# Allegro board TubiiPCB_V6.brd (continued)
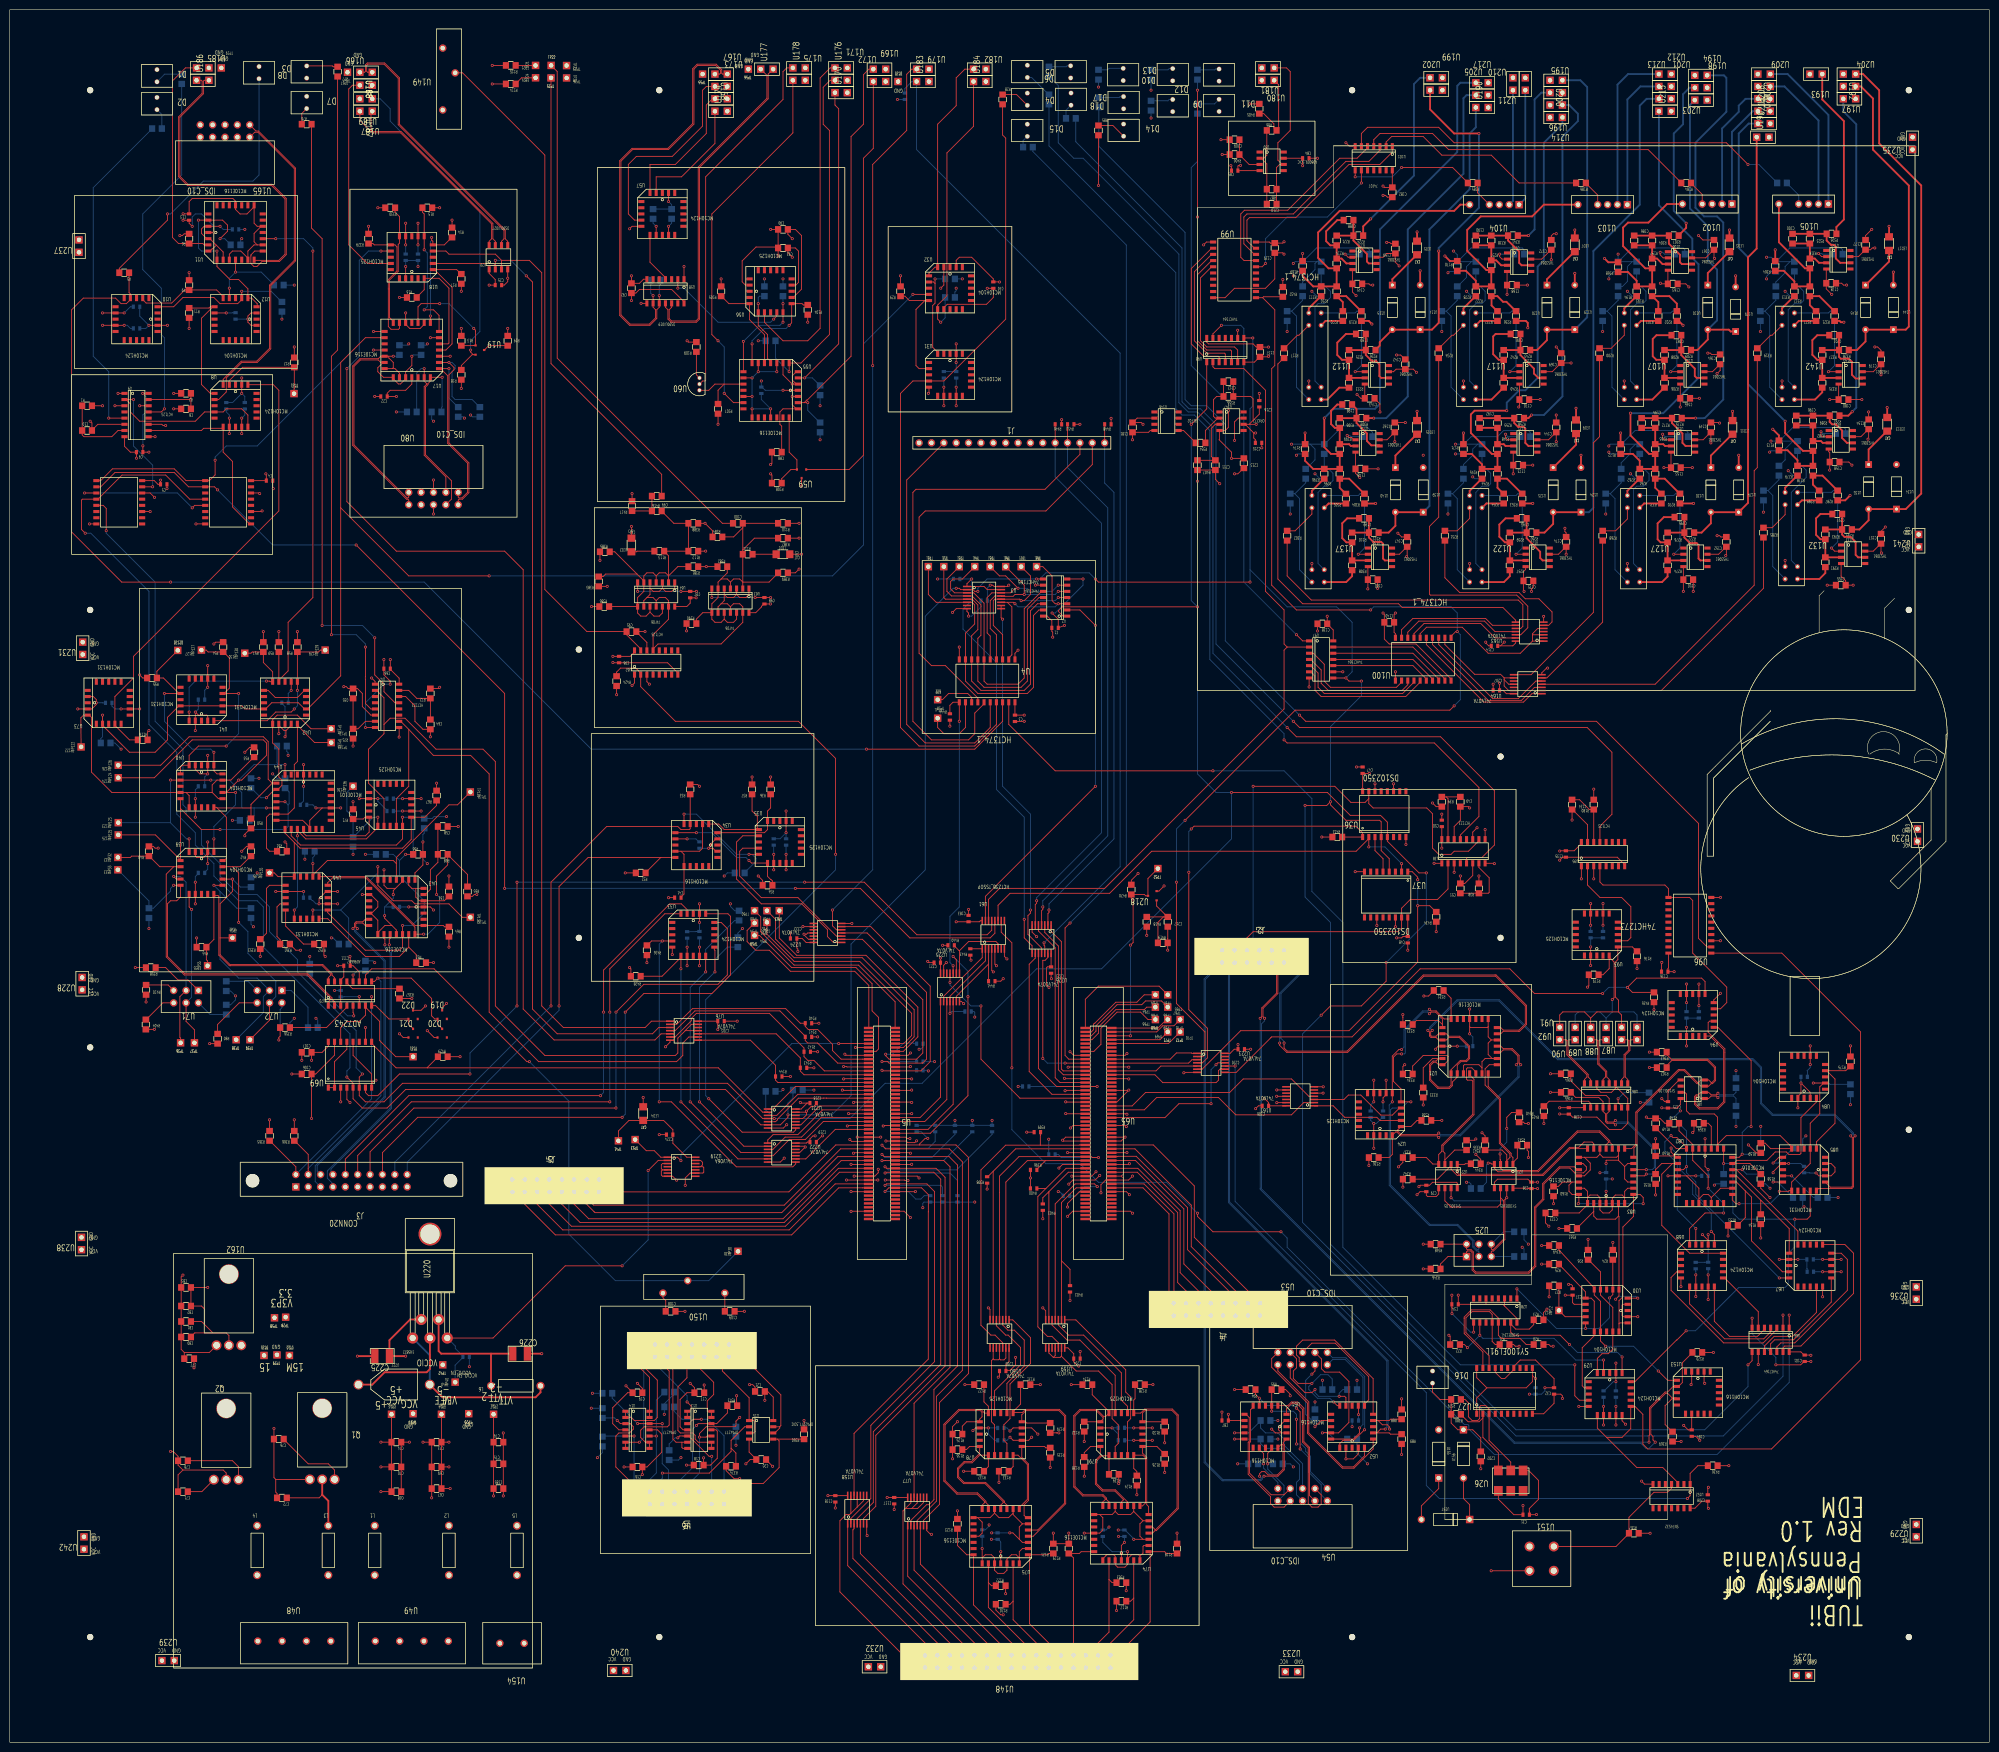
[diagram p0: board, top side]
## Routing (per net, layer and track width the routed paths; a pad name or vN(x,y) marks a point on that pad's centre or on a via; arc(x,y) is an arc through that point) (continued)
UNNAMED_1_DEFAULTCLKSEL_I1_DEFA: length 40.3
  TOP w0.178: 330.28,108 330.38,107.89 U30.4 330.38,91.62 v1(329.69,90.93) ; 330.28,108 329.64,107.36 325.83,107.36 325.2,108 325.2,108.95 ; 330.28,108 U83.3 ; U30.3 v1(334.23,91.16) ; 325.2,108.95 321.75,105.51 R161.2 ; 325.2,108.95 U83.27
  BOTTOM w0.178: v1(334.23,91.16) 333.86,91.53 330.29,91.53 v1(329.69,90.93)
UNNAMED_1_DEFAULTCLKSEL_I1_RE_1: length 201
  TOP w0.178: U29.9 325.94,64.49 327.84,62.58 ; 327.84,62.58 334.04,56.39 339.37,56.39 342.45,53.31 U152.3 ; 327.84,62.58 331.02,62.58 332.8,64.36 U29.14 333.66,68.93 335.28,67.31 335.28,61.21 336.3,60.2 361.7,60.2 379.98,78.49 379.98,145.8 363.81,161.97 U96.1
UNNAMED_1_DEFAULTCLKSEL_I1_RESE: length 93.6
  TOP w0.178: v1(351.87,118.79) U82.26 ; U29.18 333.65,74.01 342.19,82.55 342.26,82.55 v1(344.17,84.46) ; v1(366.47,107.36) 369.01,107.36 369.65,108 U85.17
  BOTTOM w0.178: v1(344.17,84.46) 346.07,84.46 354.96,93.34 364.49,93.34 365.12,93.98 365.12,100.33 366.47,101.68 v1(366.47,107.36) 355.04,107.36 353.77,108.63 353.77,118.62 353.59,118.79 v1(351.87,118.79) R157.1
UNNAMED_1_DR610F1BUTTON_I24_B2: length 31.9
  TOP w0.178: U151.3 329.76,40.18 332.43,42.84 R167.2 332.43,46.17 337.57,51.31 340.35,51.31 341.18,52.14 U152.4
UNNAMED_1_DS90LV019_I14_DIN: length 26.3
  TOP w0.178: U56.7 157.48,292.74 v1(156.84,292.1) ; U58.2 v1(137.16,298.45)
  BOTTOM w0.178: v1(137.16,298.45) 138.43,298.45 145.41,291.47 156.21,291.47 v1(156.84,292.1)
UNNAMED_1_DS90LV019_I14_ROUT: length 10.4
  TOP w0.178: 131.44,309.37 131.44,303.78 134.62,300.61 U58.4
UNNAMED_1_DS102350_I1_Q: length 7.8
  TOP w0.178: U36.3 280.29,183.01 281.94,181.36 281.94,178.69
UNNAMED_1_ELLIECOMS_I9_SMELLI_1: length 65.5
  TOP w0.178: U33.13 v1(142.88,158.12) ; U222.4 150.11,121.04 v1(139.7,131.44)
  BOTTOM w0.178: R430.2 148.83,168.67 142.88,162.72 v1(142.88,158.12) 139.7,154.94 v1(139.7,131.44)
UNNAMED_1_ELLIECOMS_I9_SMELLIED: length 73
  TOP w0.178: v1(133.35,131.44) 135.84,131.44 149.17,118.11 160.77,118.11 161.37,118.7 U222.8 ; R426.2 130.86,163.56 131.77,164.47 v1(133.99,164.47) U33.7
  BOTTOM w0.178: v1(133.99,164.47) 133.35,163.83 v1(133.35,131.44)
UNNAMED_1_ELLIECOMS_I9_SMELLIEP: length 40.5
  TOP w0.178: U35.5 150.5,186.06 149.22,184.78 149.22,177.16 154.31,172.09 162.59,172.09 167.87,166.81 167.87,165.38 169.09,164.16 U224.1
UNNAMED_1_ELLIECOMS_I9_TELLIEDE: length 62.5
  TOP w0.178: 137.8,161.1 133.92,157.23 R428.2 ; 137.8,161.1 v1(137.8,158.75) ; 137.8,161.1 U33.9 ; v1(137.8,131.44) 149.5,119.74 U222.6
  BOTTOM w0.178: v1(137.8,131.44) v1(137.8,158.75)
UNNAMED_1_ELLIECOMS_I9_TELLIEPR: length 35.3
  TOP w0.178: U224.3 169.72,165.46 161.83,173.36 154.31,173.36 149.86,177.8 149.86,182.88 150.5,183.52 153.8,183.52
UNNAMED_1_ELLIECOMS_I9_TELLIEPU: length 59.2
  TOP w0.178: 144.65,163.19 144.65,162.66 144.78,162.53 v1(144.78,158.12) ; v1(141.6,131.44) 150.71,122.34 U222.2
  BOTTOM w0.178: R431.2 147.34,163.21 144.78,160.66 v1(144.78,158.12) 141.6,154.94 v1(141.6,131.44)
UNNAMED_1_EXTTRIGS_I70_EXTT<10>: length 100.7
  TOP w0.178: U5.61 186.75,122.6 ; 186.75,122.6 194.26,122.6 196.85,120.02 196.85,75.69 190.88,69.72 190.88,48.82 187.6,45.54 U77.6 ; 186.75,122.6 186.75,122.76 187.94,123.95 v1(188.47,123.95)
  BOTTOM w0.178: R393.2 187.12,125.3 v1(188.47,123.95)
UNNAMED_1_EXTTRIGS_I70_EXTT<11>: length 106.4
  TOP w0.178: v1(179.07,119.38) 179.71,119.38 179.73,119.4 U5.69 191.75,119.4 193.04,118.11 193.04,76.96 185.65,69.57 U77.12
  BOTTOM w0.178: R392.2 191.69,119.38 v1(179.07,119.38)
UNNAMED_1_EXTTRIGS_I70_EXTT<12>: length 99.9
  TOP w0.178: U158.2 172.68,45.93 176.78,50.03 176.78,65.04 189.87,78.13 189.87,113.03 188.3,114.6 U5.81 180,114.6 v1(179.71,114.3)
  BOTTOM w0.178: R391.2 191.49,113.94 191.13,114.3 v1(179.71,114.3)
UNNAMED_1_EXTTRIGS_I70_EXTT<13>: length 108.5
  TOP w0.178: v1(179.71,116.84) 179.87,117 U5.75 189.71,117 191.13,115.57 191.13,77.6 177.29,63.75 177.29,49.23 173.98,45.93 U158.4
  BOTTOM w0.178: R147.2 194.56,115.32 193.04,116.84 v1(179.71,116.84)
UNNAMED_1_EXTTRIGS_I70_EXTT<14>: length 117
  TOP w0.178: U158.6 175.29,45.93 177.8,48.44 177.8,62.99 192.02,77.22 192.02,115.95 190.17,117.8 U5.73 180.01,117.8 v1(179.71,118.11)
  BOTTOM w0.178: R146.2 201.68,124.76 194.39,117.47 180.34,117.47 v1(179.71,118.11)
UNNAMED_1_EXTTRIGS_I70_EXTT<15>: length 88.1
  TOP w0.178: U158.12 173.33,63.39 188.58,78.64 188.58,108.85 188.59,108.87 188.59,112.4 187.19,113.8 U5.83 180.47,113.8 v1(179.71,113.03)
  BOTTOM w0.178: R145.2 187.76,112.19 187.06,111.49 186,111.49 184.46,113.03 v1(179.71,113.03)
UNNAMED_1_EXTTRIGS_I70_EXTTR<0>: length 36
  TOP w0.178: U65.84 218.95,113.8 215.93,110.78 215.93,110.53 215.94,110.52 215.94,98.81 ; U159.2 215.94,98.81 ; 215.94,98.81 217.68,97.06 R403.1
UNNAMED_1_EXTTRIGS_I70_EXTTR<1>: length 40.8
  TOP w0.178: U159.4 214.64,110.5 218.74,114.6 U65.82 222.71,114.6 v1(223.27,114.05)
  BOTTOM w0.178: 217.6,112.14 218.82,112.14 220.73,114.05 v1(223.27,114.05)
UNNAMED_1_EXTTRIGS_I70_EXTTR<2>: length 38.5
  TOP w0.178: 213.33,113 213.33,112.75 213.33,112.75 U159.6 ; 213.33,113 212.09,111.76 R401.1 ; 213.33,113 217.33,117 U65.76
UNNAMED_1_EXTTRIGS_I70_EXTTR<3>: length 47.4
  TOP w0.178: U159.12 215.29,81.99 213.97,83.31 213.03,83.31 211.07,85.27 211.07,112.01 212.72,113.66 ; 212.72,113.66 R400.1 ; 212.72,113.66 216.86,117.8 U65.74
UNNAMED_1_EXTTRIGS_I70_EXTTR<4>: length 49.1
  TOP w0.178: 212.65,119.38 210.87,117.6 R396.2 ; 212.65,119.38 219.57,119.38 219.59,119.4 U65.70 ; 212.65,119.38 208.91,119.38 204.51,114.97 U160.2
UNNAMED_1_EXTTRIGS_I70_EXTTR<5>: length 60.7
  TOP w0.178: v1(223.52,120.02) 222.24,120.02 222.05,120.2 U65.68 207.2,120.2 203.2,116.21 203.2,112.79 203.21,112.78 U160.4
  BOTTOM w0.178: R397.2 215.27,120.65 215.9,120.02 v1(223.52,120.02)
UNNAMED_1_EXTTRIGS_I70_EXTTR<6>: length 53
  TOP w0.178: 201.9,117.2 U160.6 ; 201.9,117.2 206.51,121.8 U65.64 ; 201.9,117.2 200.79,116.08 R398.2
UNNAMED_1_EXTTRIGS_I70_EXTTR<7>: length 65.1
  TOP w0.178: 211.58,122.56 204.47,122.56 199.39,117.47 199.39,85.6 201.42,83.57 202.28,83.57 203.86,81.99 U160.12 ; 211.58,122.56 219.54,122.56 219.59,122.6 U65.62 ; 211.58,122.56 211.58,124.51 211.63,124.56 R399.2
UNNAMED_1_EXTTRIGS_I70_EXTTR<8>: length 112.4
  TOP w0.178: U77.2 185,45.54 188.22,48.76 188.71,48.76 189.74,49.78 189.74,72.39 194.56,77.22 194.56,118.49 192.85,120.2 U5.67 179.52,120.2 v1(179.07,120.65)
  BOTTOM w0.178: R395.2 194.06,124.76 189.31,120.02 179.71,120.02 v1(179.07,120.65)
UNNAMED_1_EXTTRIGS_I70_EXTTR<9>: length 110.2
  TOP w0.178: v1(179.07,122.56) 179.82,121.8 U5.63 192.92,121.8 195.58,119.14 195.58,76.33 190.25,70.99 190.25,49.49 186.3,45.54 U77.4
  BOTTOM w0.178: R394.2 189.99,123.32 188.59,121.92 179.71,121.92 v1(179.07,122.56)
UNNAMED_1_FCI61083-101400LF_I23: length 20.3
  TOP w0.178: TP68.1 233.68,148.34 232.16,149.86 227.33,149.86 224.03,146.56 224.03,143.26 222.57,141.8 U65.14
UNNAMED_1_FRONTPORTS_I2_CAEN<0>: length 70.2
  TOP w0.381: U197.1 380.05,339.85 382.52,337.38 382.52,326.88 389.89,319.52 389.89,290.58 389.25,289.94 U144.1 U145.2 381,287.53 379.22,285.75 R328.2
UNNAMED_1_FRONTPORTS_I2_CAEN<1>: length 62.9
  TOP w0.381: R209.2 346.46,285.75 348.61,287.91 U110.2 352.93,289.94 353.31,289.56 U109.1
  BOTTOM w0.381: U110.2 350.52,291.85 350.52,302.26 348.61,304.17 348.61,311.15 344.96,314.81 344.96,336.07 U198.1
UNNAMED_1_FRONTPORTS_I2_CAEN<2>: length 74
  TOP w0.381: v1(293.37,306.07) 293.37,291.34 291.97,289.94 U114.1 U115.2 281.26,287.36 281.26,286.66 280.4,285.8 R226.2 ; v1(301.62,330.2) 296.54,330.2 291.59,335.15 U199.1
  BOTTOM w0.381: v1(293.37,306.07) 293.37,306.7 301.62,314.96 v1(301.62,330.2)
UNNAMED_1_FRONTPORTS_I2_CAEN<3>: length 68.7
  TOP w0.381: R243.2 313.56,285.75 315.59,287.78 U120.2 U119.1
  BOTTOM w0.381: U119.1 323.85,292.48 323.85,339.73 322.45,341.12 U200.1
UNNAMED_1_FRONTPORTS_I2_CAEN<4>: length 106.2
  TOP w0.381: R260.2 315.09,248.29 316.86,250.06 U125.2 U124.1
  BOTTOM w0.381: U124.1 324.23,252.48 325.12,253.37 325.12,306.07 334.64,315.6 334.64,335.92 336.04,337.31 U201.1
UNNAMED_1_FRONTPORTS_I2_CAEN<5>: length 90.7
  TOP w0.381: R277.2 347.34,248.29 349.25,250.19 U130.2 U129.1 356.87,254.38 356.87,304.8 358.65,306.58 U191.1
UNNAMED_1_FRONTPORTS_I2_CAEN<6>: length 111.2
  TOP w0.381: R294.2 379.73,248.92 381.63,250.82 U135.2 U134.1 389.25,253.11 392.43,256.29 392.43,319.53 383.79,328.17 383.79,339.09 380.49,342.39 U192.1
UNNAMED_1_FRONTPORTS_I2_CAEN<7>: length 100.1
  TOP w0.381: U139.1 U140.2 284.48,249.68 283.08,248.29 R311.2
  BOTTOM w0.381: U190.1 300.99,331.47 299.72,330.2 299.72,318.77 291.46,310.51 291.46,253.75 U139.1
UNNAMED_1_FRONTPORTS_I2_CLK100N: length 95.3
  TOP w0.178: v1(261.62,143.51) 261.62,142.5 262.26,141.86 274.57,141.86 290.19,157.48 304.95,157.48 304.95,157.48 305.16,157.48 311.4,151.24 311.4,147.34 309.98,145.92 309.78,145.92 309.77,145.92 306.62,145.92 306.11,145.41 U21.17
  BOTTOM w0.178: J2.12 261.62,161.59 261.8,161.42 262.08,161.42 262.21,161.29 264.79,161.29 265.43,160.66 265.43,158.12 260.98,153.67 260.98,144.47 261.62,143.83 v1(261.62,143.51)
UNNAMED_1_FRONTPORTS_I2_CLK100P: length 94.5
  TOP w0.178: U21.18 306.11,146.69 306.62,146.18 309.88,146.18 311.15,147.45 311.15,151.13 305.05,157.23 290.3,157.23 274.68,141.61 262.15,141.61 260.72,143.04 v1(260.72,143.51)
  BOTTOM w0.178: J2.11 261.62,160.99 261.8,161.16 261.98,161.16 262.1,161.04 264.69,161.04 265.18,160.55 265.18,158.22 260.73,153.78 260.73,144.47 260.72,144.46 v1(260.72,143.51)
UNNAMED_1_FRONTPORTS_I2_DGTN: length 69.8
  TOP w0.178: U165.1 50.55,330.71 51.05,330.71 58.67,323.09 58.67,304.06 53.59,298.98 53.59,286 50.8,283.21 47.64,283.21 44.45,280.02 44.45,277.15 42.89,275.59 U8.5
UNNAMED_1_FRONTPORTS_I2_DGTP: length 64.9
  TOP w0.178: U8.3 43.81,279.75 47.53,283.46 50.69,283.46 53.34,286.11 53.34,299.08 58.42,304.17 58.42,322.98 50.95,330.45 50.29,330.45 U165.2
UNNAMED_1_FRONTPORTS_I2_ECLTO_1: length 68
  TOP w0.178: U177.2 155.71,342.4 155.71,337.32 141.6,323.22 141.6,292.1 140.97,291.47 135.76,291.47 135.13,292.1 135.13,294.03 134.62,294.54 U58.11
UNNAMED_1_FRONTPORTS_I2_ECLTO_2: length 67.3
  TOP w0.178: U177.1 155.45,342.13 155.45,337.42 141.35,323.32 141.35,292.21 140.86,291.72 135.87,291.72 135.38,292.21 135.38,294.03 135.89,294.54 U58.12
UNNAMED_1_FRONTPORTS_I2_ECLTO_3: length 73.9
  TOP w0.178: U60.2 142.24,279.4 142.7,279.4 142.88,279.58 142.88,321.31 158.75,337.19 158.75,342.9 159.51,343.66 U178.1
UNNAMED_1_FRONTPORTS_I2_ECLTO_4: length 71.4
  TOP w0.178: U176.1 168.44,343.66 166.37,341.59 166.37,290.19 163.83,287.66 158.75,287.66 154.94,291.47 U56.5
UNNAMED_1_FRONTPORTS_I2_ECLTOLV: length 74.3
  TOP w0.178: v1(160.02,281.31) U55.5 162.43,283.08 168.28,288.93 168.28,330.83 167,332.11 167,339.69 168.44,341.12 U171.1
  BOTTOM w0.178: R101.2 157.21,284.11 v1(160.02,281.31)
UNNAMED_1_FRONTPORTS_I2_ECLTONI: length 82.1
  TOP w0.178: v1(163.83,274.95) 163.09,274.95 ; 163.09,274.95 163.61,275.48 163.72,275.48 172.72,284.48 172.72,329.56 175.26,332.11 175.26,342.26 176.4,343.41 U172.1 ; 163.09,274.95 U55.27
  BOTTOM w0.178: R102.2 166.32,270.88 163.83,273.36 v1(163.83,274.95)
UNNAMED_1_FRONTPORTS_I2_ECLTOTT: length 67
  TOP w0.178: U55.3 v1(163.19,280.04) 170.18,287.02 170.18,335.28 169.55,335.92 169.55,335.92 169.42,336.04 U170.1
  BOTTOM w0.178: R100.2 166.32,278.5 164.78,280.04 v1(163.19,280.04)
UNNAMED_1_FRONTPORTS_I2_EXT<10>: length 33.4
  TOP w0.178: U77.1 184.35,34.09 U148.21
UNNAMED_1_FRONTPORTS_I2_EXT<11>: length 47.2
  TOP w0.178: 183.85,47.96 185,49.11 U77.13 ; 183.85,47.96 185.17,47.96 ; 183.85,47.96 183.39,47.5 183.39,32.51 U148.23 ; 185.17,47.96 186.37,47.96 187.6,49.2 U77.9 ; 185.17,47.96 186.3,49.1 U77.11
UNNAMED_1_FRONTPORTS_I2_EXT<12>: length 35.7
  TOP w0.178: U158.5 174.64,38.72 U148.25
UNNAMED_1_FRONTPORTS_I2_EXT<13>: length 35.4
  TOP w0.178: U158.3 173.33,43.84 173.1,43.6 173.1,37.72 U148.27
UNNAMED_1_FRONTPORTS_I2_EXT<14>: length 34.7
  TOP w0.178: U148.29 172.03,36.25 U158.1
UNNAMED_1_FRONTPORTS_I2_EXT<15>: length 51
  TOP w0.178: U158.11 173.98,48.28 ; 173.98,48.28 172.68,46.98 ; 173.98,48.28 175.29,49.58 U158.9 ; 172.68,46.98 U158.13 ; 172.68,46.98 172.44,46.74 171.7,46.74 170.43,45.47 170.43,30.86 183.45,17.84 U148.31
UNNAMED_1_FRONTPORTS_I2_EXTPEDI: length 58.2
  TOP w0.178: v1(191.13,291.47) 190.5,292.1 U32.9 190.5,294.99 192.41,296.89 192.41,326.21 197.87,331.67 U184.1
  BOTTOM w0.178: v1(191.13,291.47) 192.04,292.37 R31.2
UNNAMED_1_FRONTPORTS_I2_EXTPEDO: length 47.6
  TOP w0.178: U182.1 196.09,343.41 194.31,341.63 194.31,335.92 190.5,332.11 U32.3 189.96,302.77 188.72,301.53 U32.4
UNNAMED_1_FRONTPORTS_I2_EXTT<0>: length 31.4
  TOP w0.178: 233.81,39.12 234.12,39.12 ; 234.12,39.12 234.12,24.7 227.27,17.84 U148.1 ; 234.12,39.12 237.11,39.12 237.47,38.75 R118.2
UNNAMED_1_FRONTPORTS_I2_EXTT<1>: length 24.3
  TOP w0.178: U148.3 230.76,25.15 230.76,29.59 ; 230.76,29.59 230.76,37.34 ; 230.76,29.59 230.12,28.96 R117.2
UNNAMED_1_FRONTPORTS_I2_EXTT<2>: length 23.3
  TOP w0.178: U74.27 225.68,33.4 ; 225.68,33.4 225.68,22.61 U148.5 ; 225.68,33.4 226.31,32.77 R363.2
UNNAMED_1_FRONTPORTS_I2_EXTT<3>: length 26.6
  TOP w0.178: 217.47,38.75 R119.2 ; 217.47,38.75 218.38,37.85 U148.7 ; 217.47,38.75 219.6,38.75 219.96,39.12 U74.25
UNNAMED_1_FRONTPORTS_I2_EXTT<4>: length 28.6
  TOP w0.178: 209.36,38.48 209.36,24.32 U148.9 ; 209.36,38.48 213.08,38.48 213.34,38.75 R121.2 ; 209.36,38.48 U75.5
UNNAMED_1_FRONTPORTS_I2_EXTT<5>: length 23.7
  TOP w0.178: R120.2 205.36,28.32 205.99,28.96 ; 205.99,28.96 205.99,25.15 U148.11 ; 205.99,28.96 U75.3
UNNAMED_1_FRONTPORTS_I2_EXTT<6>: length 24.7
  TOP w0.178: 200.91,32.77 200.91,27.69 U148.13 ; 200.91,32.77 U75.27 ; 200.91,32.77 201.55,32.13 R122.2
UNNAMED_1_FRONTPORTS_I2_EXTT<7>: length 32.5
  TOP w0.178: U148.15 197.87,28.19 U75.25 196.47,38.48 194.56,40.39 R123.2
UNNAMED_1_FRONTPORTS_I2_EXTT<8>: length 34.4
  TOP w0.178: U77.5 186.95,36.57 U148.17
UNNAMED_1_FRONTPORTS_I2_EXTT<9>: length 33.9
  TOP w0.178: U77.3 185.65,35.33 U148.19
UNNAMED_1_FRONTPORTS_I2_GENER_1: length 55.6
  TOP w0.178: U38.2 295.27,175.13 293.12,172.97 287.53,172.97 285.75,171.2 U37.15 285.75,167.13 284.99,166.37 255.27,166.37 254,165.1 J2.6
UNNAMED_1_FRONTPORTS_I2_GENER_2: length 94.7
  TOP w0.178: v1(255.27,196.22) 272.03,196.22 275.34,192.91 278.26,192.91 279.02,193.67 ; 279.02,193.67 U36.15 ; 279.02,193.67 279.02,192.66 279.91,191.77 290.91,191.77 292.1,190.58 292.1,183.52 293.37,182.25 295.91,182.25 296.54,182.88 299.47,182.88 301.62,185.04 U38.10
  BOTTOM w0.178: J2.8 255.27,163.83 v1(255.27,196.22)
UNNAMED_1_FRONTPORTS_I2_GENERIC: length 185.8
  TOP w0.178: U224.5 169.72,166.76 168.91,167.57 v1(168.91,170.81) ; U179.1 185.2,343.41 184.15,342.36 184.15,330.83 177.16,323.85 v1(177.16,282.57)
  BOTTOM w0.178: v1(168.91,170.81) 177.16,179.07 v1(177.16,282.57)
UNNAMED_1_FRONTPORTS_I2_GTN: length 56.9
  TOP w0.178: U80.2 81.92,255.57 81.74,255.4 81.56,255.4 70.66,266.29 70.66,282.39 71.99,283.72 75.65,283.72 76.16,283.21 76.64,283.21 ; v1(82.55,284.48) 82.55,282.57 81.28,281.31 U17.28 81.28,279.84 80.23,278.8 79.79,278.8 78.74,279.84 U17.26 76.71,280.16 75.56,281.31 75.56,282.13 76.64,283.21 ; 76.64,283.21 U17.24
  BOTTOM w0.178: v1(82.55,284.48) 82.82,284.75 R192.2
UNNAMED_1_FRONTPORTS_I2_GTNIM: length 68.4
  TOP w0.178: U19.2 95.16,284.8 ; 95.16,284.8 94.62,285.34 v1(94.62,285.75) ; 95.16,284.8 94.93,284.8 92.71,282.57 R18.1
  BOTTOM w0.178: v1(94.62,285.75) 94.62,287.66 96.52,289.56 96.52,314.32 78.11,332.74 78.11,335.28 76.07,337.31 U189.1
UNNAMED_1_FRONTPORTS_I2_GTP: length 51.2
  TOP w0.178: 77.82,284.48 77.82,284.13 78.74,283.21 78.74,282.12 78.56,281.94 ; 77.82,284.48 v1(78.74,284.48) ; 77.82,284.48 U17.23 76.16,284.48 75.65,283.97 71.88,283.97 70.41,282.5 70.41,266.19 81.45,255.14 81.74,255.14 81.92,254.97 U80.1 ; 78.56,281.94 79.09,281.94 80.01,281.02 U17.27 ; 78.56,281.94 U17.25
  BOTTOM w0.178: v1(78.74,284.48) 79.74,284.48 R191.2
UNNAMED_1_FRONTPORTS_I2_GTTTLOU: length 44.8
  TOP w0.178: U166.1 70.36,340.11 69.6,339.34 69.6,307.34 73.41,303.53 U18.17
UNNAMED_1_FRONTPORTS_I2_LOSTA_1: length 64.8
  TOP w0.178: U11.11 50.29,304.17 55.25,304.17 56.52,305.44 56.52,316.76 53.74,319.53 36.47,319.53 34.67,321.33 34.67,333.63 39.5,338.45 39.5,340.94 39.32,341.12 U186.1
UNNAMED_1_FRONTPORTS_I2_LOSTARO: length 71.1
  TOP w0.178: U11.12 50.29,306.07 49.53,305.31 49.53,305.09 49.5,305.07 49.5,303.51 50.12,302.89 50.75,302.89 51.77,303.91 55.35,303.91 56.77,305.33 56.77,316.87 53.85,319.79 36.58,319.79 34.92,321.44 34.92,333.52 39.75,338.35 39.75,340.94 39.93,341.12 U186.2
UNNAMED_1_FRONTPORTS_I2_LVDST_1: length 87.1
  TOP w0.178: U168.1 146.35,342.39 146.18,342.57 146.18,343.28 145.03,344.42 141.12,344.42 140.21,343.51 140.21,332.23 135.13,327.15 127.76,327.15 125.22,324.61 125.22,292.86 127.25,290.83 131.42,290.83 132.84,292.25 132.84,294.03 133.35,294.54 U58.10 v1(133.35,296.93)
  BOTTOM w0.178: R368.2 133.59,299.2 133.35,298.96 v1(133.35,296.93)
UNNAMED_1_FRONTPORTS_I2_LVDST_2: length 24.8
  TOP w0.178: U174.1 144.78,328.17 137.92,321.31 132.72,321.31 U57.2
UNNAMED_1_FRONTPORTS_I2_LVDSTOE: length 85.6
  TOP w0.178: v1(132.08,296.93) U58.9 132.08,294.54 132.59,294.03 132.59,292.35 131.32,291.08 127.36,291.08 125.48,292.97 125.48,324.51 127.87,326.9 135.23,326.9 140.46,332.13 140.46,343.41 141.22,344.17 144.93,344.17 145.92,343.17 145.92,342.57 145.75,342.39 U168.2
  BOTTOM w0.178: R368.1 131.59,297.42 v1(132.08,296.93)
UNNAMED_1_FRONTPORTS_I2_MTCAM_1: length 66.5
  TOP w0.178: U43.17 72.99,168.91 72.48,168.4 71.11,168.4 70.78,168.08 70.78,167.33 v1(70.46,167)
  BOTTOM w0.178: v1(70.46,167) 70.78,166.68 70.78,166.4 76.84,160.35 76.84,132.44 62.71,118.32 62.71,115.09 J3.5
UNNAMED_1_FRONTPORTS_I2_MTCAM_2: length 65.1
  TOP w0.178: R365.2 53.39,123.46 58.74,118.11 J3.2 ; v1(74.3,153.03) U70.8 75.12,151.19 77.86,148.45 D22.1 81.85,147.42 82.8,146.47 D21.3
  BOTTOM w0.178: v1(74.3,153.03) 74.3,132.08 J3.2
UNNAMED_1_FRONTPORTS_I2_MTCAM_3: length 54.9
  TOP w0.178: v1(77.92,163.68) 77.92,164.82 78.11,165.01 U43.21
  BOTTOM w0.178: J3.8 66.35,116.52 65.95,116.93 65.95,117.66 78.36,130.07 78.36,162.7 77.92,163.14 v1(77.92,163.68)
UNNAMED_1_FRONTPORTS_I2_MTCAM_4: length 58.2
  TOP w0.178: 76.84,165.86 76.84,165.01 77.02,164.82 v1(77.02,163.68)
  BOTTOM w0.178: J3.7 66.36,114.62 65.2,115.77 65.2,117.27 78.11,130.18 78.11,162.07 77.02,163.15 v1(77.02,163.68)
UNNAMED_1_FRONTPORTS_I2_MTCAM_5: length 76.7
  TOP w0.178: J3.4 61.28,120.65 58.47,123.46 R366.2 ; U70.9 74.87,156.15 v1(75.56,156.84) 82.42,156.84 86.61,152.65 86.61,149.1 87.25,148.46 D19.1 87.83,147.41 88.77,146.47 D20.3
  BOTTOM w0.178: J3.4 61.28,117.79 76.2,132.72 76.2,156.21 v1(75.56,156.84)
UNNAMED_1_FRONTPORTS_I2_MTCAMIM: length 63.3
  TOP w0.178: U43.18 72.99,167.64 72.48,168.15 71.22,168.15 71.04,167.97 71.04,167.33 v1(71.36,167)
  BOTTOM w0.178: v1(71.36,167) 71.04,166.68 71.04,166.5 77.09,160.45 77.09,132.55 77.09,132.54 77.09,132.34 63.12,118.36 63.12,117.22 J3.6
UNNAMED_1_FRONTPORTS_I2_MTCDLO: length 46.2
  TOP w0.178: U185.1 36.07,343.66 33.4,341 33.4,308.86 34.66,307.61 R6.2 39.64,307.61 39.91,307.34 U11.3
UNNAMED_1_FRONTPORTS_I2_NIMTO_1: length 76.9
  TOP w0.178: U55.17 148.59,274.95 v1(146.69,276.86) ; U175.1 160.78,330.33 144.15,313.69 144.15,288.93 v1(145.41,287.66)
  BOTTOM w0.178: v1(145.41,287.66) 146.69,286.38 v1(146.69,276.86)
UNNAMED_1_FRONTPORTS_I2_NIMTOEC: length 90.5
  TOP w0.178: U169.1 177.29,327.15 175.26,325.12 175.26,264.16 172.34,261.24 U59.1
UNNAMED_1_FRONTPORTS_I2_PUL<10>: length 89.5
  TOP w0.381: v1(364.49,271.14) 364.49,268.73 368.16,265.06 R282.1 R278.1 R279.1 367.03,263.14 364.98,265.19 R173.2
  BOTTOM w0.381: v1(364.49,271.14) 356.87,278.76 356.87,304.8 354.96,306.7 354.96,330.2 357,332.23 U216.1
UNNAMED_1_FRONTPORTS_I2_PUL<11>: length 110.6
  TOP w0.381: v1(269.88,271.78) 269.88,265.81 271.26,264.43 R299.1 R295.1 R296.1 267.6,261.35 265.94,263.02 R174.2
  BOTTOM w0.381: U217.1 297.81,340.61 297.18,339.98 297.18,326.39 281.3,310.51 281.3,274.7 280.29,273.69 271.78,273.69 v1(269.88,271.78)
UNNAMED_1_FRONTPORTS_I2_PULS<0>: length 33.7
  BOTTOM w0.381: U206.1 365,342.39 373.38,334.01 U105.1
UNNAMED_1_FRONTPORTS_I2_PULS<1>: length 29.9
  BOTTOM w0.381: U105.2 371.35,332.87 364.36,339.85 U207.1
UNNAMED_1_FRONTPORTS_I2_PULS<2>: length 21.9
  BOTTOM w0.381: U208.1 357.82,334.77 353.57,330.52 U102.1
UNNAMED_1_FRONTPORTS_I2_PULS<3>: length 26.1
  BOTTOM w0.381: U209.1 356.36,337.31 354.96,335.92 354.96,334.64 351.54,331.22 U102.2
UNNAMED_1_FRONTPORTS_I2_PULS<4>: length 24
  BOTTOM w0.381: U104.1 311.15,316.87 U210.1
UNNAMED_1_FRONTPORTS_I2_PULS<5>: length 23.8
  BOTTOM w0.381: U104.2 308.61,316.36 U211.1
UNNAMED_1_FRONTPORTS_I2_PULS<6>: length 29.2
  BOTTOM w0.381: U212.1 334.77,339.85 332.1,337.19 U103.1
UNNAMED_1_FRONTPORTS_I2_PULS<7>: length 34
  BOTTOM w0.381: U213.1 332.23,342.39 330.07,340.23 U103.2
UNNAMED_1_FRONTPORTS_I2_PULS<8>: length 96.3
  TOP w0.381: R171.2 300.14,264.43 302.26,262.31 R245.1 R244.1 R248.1 304.28,264.43 299.97,268.73 299.97,272.54 300.74,273.3 v1(307.34,273.3)
  BOTTOM w0.381: v1(307.34,273.3) 307.34,274.95 309.88,277.5 311.15,277.5 313.69,280.04 313.69,302.89 314.96,304.17 314.96,328.3 318.77,332.11 U214.1
UNNAMED_1_FRONTPORTS_I2_PULS<9>: length 98.7
  TOP w0.381: v1(332.74,272.8) 332.74,268.24 336.55,264.43 R265.1 R261.1 R262.1 334.64,263.02 333.23,264.43 R172.2
  BOTTOM w0.381: U215.1 338.58,315.47 345.44,308.61 345.44,304.64 346.71,303.37 346.71,280.04 339.47,272.8 v1(332.74,272.8)
UNNAMED_1_FRONTPORTS_I2_PULSE_1: length 33.3
  TOP w0.178: 261.24,323.85 260.35,324.74 260.35,328.3 262.89,330.83 262.89,342.9 262.13,343.66 U181.1 ; 261.24,323.85 260.7,323.85 260.08,323.23 R87.2 C210.2 ; 261.24,323.85 U50.6
UNNAMED_1_FRONTPORTS_I2_PULSEIN: length 16.3
  TOP w0.178: 260.05,330.83 259.53,331.36 259.53,332.19 257.44,334.28 R405.2 ; 260.05,330.83 R86.1 ; 260.05,330.83 260.5,331.29 260.5,340.21 U180.1
UNNAMED_1_FRONTPORTS_I2_RIBBO_1: length 119.1
  TOP w0.178: v1(283.3,64.28) 283.21,64.37 283.21,64.77 282.82,65.16 281.8,65.16 280.92,66.04 ; 280.92,66.04 283.21,66.04 283.48,66.31 R88.2 ; 280.92,66.04 U52.7
  BOTTOM w0.178: J2.3 251.05,159.61 251.05,159.61 250.44,159 250.44,110.87 282.98,78.34 282.98,64.6 v1(283.3,64.28)
UNNAMED_1_FRONTPORTS_I2_RIBBO_2: length 130.2
  TOP w0.178: U51.18 261.02,61.12 261.27,61.12 261.4,60.99 261.4,56.02 260.24,54.86 258.34,54.86 257.67,55.54 257.01,55.54 256.6,55.13 v1(256.6,54.61)
  BOTTOM w0.178: v1(256.6,54.61) 256.92,54.29 256.92,54.11 256.74,53.93 249.03,53.93 245.47,57.49 245.47,156.57 J2.1
UNNAMED_1_FRONTPORTS_I2_RIBBO_3: length 133.1
  TOP w0.178: U51.19 261.45,61.56 261.45,61.3 261.66,61.1 261.66,55.92 260.35,54.61 v1(257.5,54.61)
  BOTTOM w0.178: v1(257.5,54.61) 257.17,54.29 257.17,54 256.85,53.68 249.13,53.68 249.13,53.68 248.92,53.68 245.21,57.39 245.21,156.67 246.76,158.22 246.76,161.46 247.86,162.56 J2.2
UNNAMED_1_FRONTPORTS_I2_RIBBONP: length 120.4
  TOP w0.178: U52.5 280.67,63.5 ; 280.67,63.5 283.21,63.5 283.48,63.23 R89.2 ; 280.67,63.5 281.45,64.28 v1(282.4,64.28)
  BOTTOM w0.178: v1(282.4,64.28) 282.72,64.6 282.72,78.23 250.19,110.76 250.19,161.29 J2.4
UNNAMED_1_FRONTPORTS_I2_SCAL<1>: length 108.9
  TOP w0.178: J1.14 219.71,264.34 212.55,257.18 186.06,257.18 185.42,256.54 185.42,209.55 189.23,205.74 196.85,205.74 198.12,207.01 198.12,211.24 200.03,213.14 U4.15
UNNAMED_1_FRONTPORTS_I2_SCAL<2>: length 89.1
  TOP w0.178: U4.14 198.75,214.32 192.09,220.98 189.23,220.98 186.69,223.52 186.69,251.46 187.96,252.73 212.72,252.73 222.25,262.25 J1.15
UNNAMED_1_FRONTPORTS_I2_SCAL<3>: length 86.2
  TOP w0.178: 201.3,213.46 201.3,208.28 198.12,205.11 187.96,205.11 184.15,208.92 184.15,259.08 J1.3
UNNAMED_1_FRONTPORTS_I2_SCAL<4>: length 109.2
  TOP w0.178: v1(213.36,170.81) 213.36,170.29 213.14,170.07 U226.2 ; J1.16 R448.2
  BOTTOM w0.178: J1.16 224.79,258.44 226.69,256.54 226.69,185.42 213.36,172.09 v1(213.36,170.81)
UNNAMED_1_FRONTPORTS_I2_SCAL<5>: length 112.4
  TOP w0.178: v1(210.82,172.72) 210.82,172.2 210.54,171.92 U226.6 ; J1.12 R446.2
  BOTTOM w0.178: v1(210.82,172.72) 210.82,173.36 224.16,186.69 224.16,250.19 214.63,259.72 J1.12
UNNAMED_1_FRONTPORTS_I2_SCAL<6>: length 111.8
  TOP w0.178: v1(212.09,171.45) 212.09,170.93 211.84,170.68 U226.4 ; R450.2 J1.13
  BOTTOM w0.178: v1(212.09,171.45) 212.09,172.72 225.43,186.06 225.43,253.37 217.17,261.62 J1.13
UNNAMED_1_FRONTPORTS_I2_SCOP<0>: length 35.3
  TOP w0.381: U193.1 372.11,337.19 376.55,332.74 376.55,312.55 375.02,311.01 R326.2
UNNAMED_1_FRONTPORTS_I2_SCOP<1>: length 34.5
  TOP w0.381: v1(344.17,311.79) 344.17,310.84 342.63,309.3 R207.2
  BOTTOM w0.381: U194.1 344.87,339.6 343.53,338.27 343.53,332.11 341.63,330.2 341.63,314.32 v1(344.17,311.79)
UNNAMED_1_FRONTPORTS_I2_SCOP<2>: length 39.3
  TOP w0.381: R224.2 277.86,311.13 v1(279.4,312.67)
  BOTTOM w0.381: U202.1 289.56,341.63 288.29,340.36 288.29,321.56 v1(279.4,312.67)
UNNAMED_1_FRONTPORTS_I2_SCOP<3>: length 34.4